# Altium PCB RailGun and Grabber PCB.PcbDoc (part 2 of 2)
Units mm, origin at the board's own origin, x right, y up, seen from the top; angles counter-clockwise.
Board outline 60 x 60 mm, 2 copper layers (Top Layer, Bottom Layer); 106 components, 59 nets, 345 pads, 97 vias.
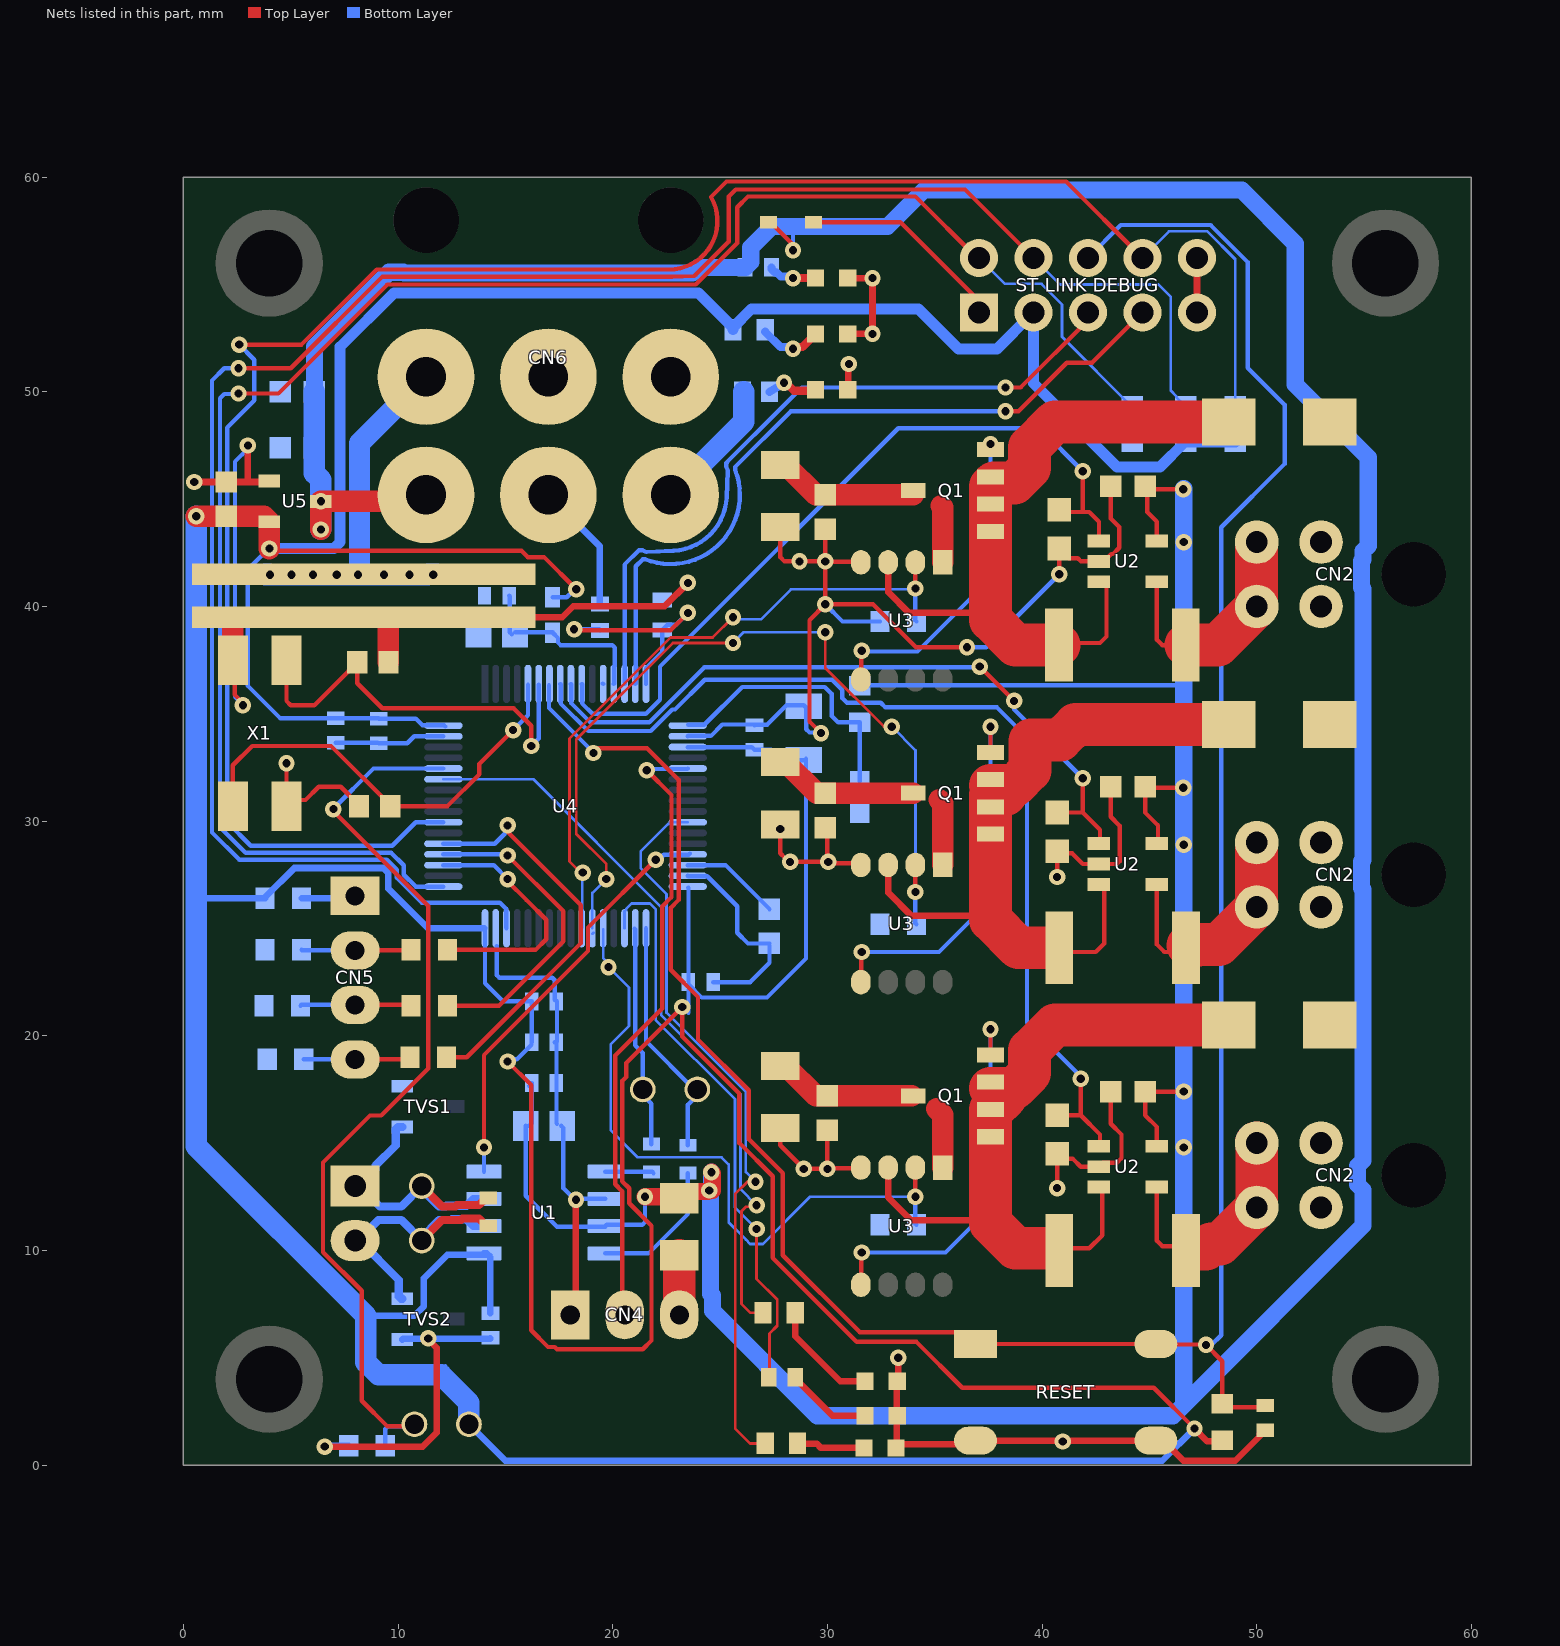
[diagram p2: the nets of this part, all layers, seen from the top]

## Part data (continued)
R4 R4 R4: library part CMP-00098-1, "Res Thick Film 0603 80.6K Ohm 1% 0.1W(1/10W) ±100ppm/C Molded SMD Automotive Paper T/R", Case Code (Imperial)=0603, Case Code (Metric)=1608, Max Operating Temperature=155°C, Max Power Dissipation=100mW, Min Operating Temperature=-55°C, Package Quantity=10, Resistance=80.6kR, Resistor Type="Thick Film", Temperature Coefficient=100ppm/°C, Tolerance=1%, Voltage Rating=75V, Case/Package=0603, Contact Plating=Tin, Depth=0.85mm, Features="Automotive AEC-Q200", Height=0.45mm, Lead Free="Lead Free", Length=1.55mm, Military Standard=Not, Number of Terminations=2, Packaging="Tape and Reel", Power Rating=100mW, Radiation Hardening=No, REACH SVHC=Unknown, Termination=SMD/SMT, Voltage Rating (DC)=75V, Weight=7.1E-05oz, Width=0.033inch, Working Voltage=75V
R5 R5 R5 R10 R11 R13 R14 R17 R20 R21 R22: library part CMP-047-0013-1, "10kR, 1%, 1/10W, 0603 SMD", Component Type=Standard, Created On=14-05-31, Last Edited=14-05-31, Made By="Ashwin Sira", Owned By=AUVic, Pin Count=2, Source=AUVic_Schematic_Library_Resistors.SchLib
  R5 R5 R5: Design Item ID="10kR, 1%, 1/10W, 0603 SMD"
  R10 R11 R13 R14 R17 R20 R21 R22: Design Item ID=10kR
R6 R6 R6: library part CMP-047-0006-1, Component Type=Standard, ComponentLink1Description=Digikey, ComponentLink1URL=https://www.digikey.ca/product-detail/en/te-connectivity-passive-product/RLP73V3AR020FTDF/A109677CT-ND/4032443, Created By="Robert Keen", Created On=2018-08-16, Design Item ID="0R02, 1%, 2W, 2512 SMD", Pin Count=2, Source=AUVic_Schematic_Library_Resistors.SchLib
R7: library part CMP-00067-2, "Res Thick Film 0603 330 Ohm 1% 0.1W(1/10W) +/-100ppm/ßC Pad SMD Automotive T/R", Case Code (Imperial)=0603, Case Code (Metric)=1608, Max Operating Temperature=155°C, Max Power Dissipation=100mW, Min Operating Temperature=-55°C, Package Quantity=10, Resistance=330R, Temperature Coefficient=100ppm/°C, Tolerance=1%, Voltage Rating=75V, Case/Package=0603, Composition="Thick Film", Contact Plating=Tin, Depth=0.85mm, Features="Automotive AEC-Q200", Height=0.45mm, Lead Free="Lead Free", Length=1.55mm, Military Standard=Not, Mount="Surface Mount", Number of Terminations=2, Packaging="Tape and Reel", Power Rating=100mW, Radiation Hardening=No, REACH SVHC=Unknown, Termination=SMD/SMT, Voltage Rating (DC)=75V, Weight=7.1E-05oz, Width=0.033inch
R8 R23 R24 R25: library part CMP-047-0024-1, "1kR, 1%, 1/10W , 0603, SMD", Component Type=Standard, Created By="Andy Bates", Date Created=2017-05-10, Design Item ID=1kR, Pin Count=2, Publisher=AUVic, Source=AUVic_Schematic_Library_Resistors.SchLib
R9 R12: library part CMP-00069-1, "RES SMD 110 OHM 1% 1/10W 0603", Case Code (Imperial)=0603, Case Code (Metric)=1608, Max Operating Temperature=155°C, Max Power Dissipation=100mW, Min Operating Temperature=-55°C, Package Quantity=1, Resistance=110R, Temperature Coefficient=100ppm/°C, Tolerance=1%, Voltage Rating=50V, Working Voltage=75V, Case/Package=0603, Composition="Thick Film", Depth=0.8mm, Features="Moisture Resistant", Height=0.022inch, Lead Free="Lead Free", Length=1.6mm, Military Standard=Not, Number of Terminations=2, Packaging="Tape and Reel", Power Rating=100mW, Termination=SMD/SMT, Voltage Rating (DC)=50V, Width=0.031inch
R15: library part CMP-00085-1, "RES SMD 82.5K OHM 1% 1/10W 0603", Case Code (Imperial)=0603, Case Code (Metric)=1608, Max Operating Temperature=155°C, Max Power Dissipation=100mW, Min Operating Temperature=-55°C, Package Quantity=1, Resistance=82.5kR, Temperature Coefficient=100ppm/°C, Tolerance=1%, Voltage Rating=75V, Voltage Rating (DC)=50V, Case/Package=0603, Composition="Thick Film", Contact Plating=Tin, Depth=0.8mm, Features="Automotive AEC-Q200", Height=0.022inch, Lead Free="Lead Free", Length=1.6mm, Military Standard=Not, Mount="Surface Mount", Number of Terminations=2, Packaging="Tape and Reel", Power Rating=100mW, Radiation Hardening=No, REACH SVHC="No SVHC", Termination=SMD/SMT, Width=0.031inch
R16: library part CMP-047-0021-1, Component Type=Standard, Created On=14-05-31, Design Item ID="16kR, 1%, 1/10W, 0603 SMD", Last Edited=14-05-31, Made By="Ashwin Sira", Owned By=AUVic, Pin Count=2, Source=AUVic_Schematic_Library_Resistors.SchLib
R18: library part CMP-00037-1, "Res General Purpose Thick Film 0603 10K Ohm 1% 1/10W ±100ppm/°C Molded SMD Paper T/R", Case Code (Imperial)=0603, Case Code (Metric)=1608, Max Operating Temperature=155°C, Min Operating Temperature=-55°C, Power Rating=100mW, Resistance=10kR, Temperature Coefficient=100ppm/°C, Tolerance=1%, Voltage Rating=75V, Voltage Rating (DC)=50V, Case/Package=0603, Composition="Thick Film", Depth=0.8mm, Height=0.45mm, Lead Free="Lead Free", Lead Pitch=0.3mm, Length=1.6mm, Military Standard=Not, Number of Pins=2, Packaging="Tape and Reel", REACH SVHC="No SVHC", Termination=SMD/SMT, Weight=7.1E-05oz, Width=0.8mm
R19: library part CMP-00090-2, "Res Thick Film 0603 27K Ohm 1% 0.1W(1/10W) ±100ppm/C Pad SMD Automotive T/R"
R26: library part CMP-00072-1, "VISHAY         CRCW06036K34FKEA.             SMD Chip Resistor, Thick Film, 6.34 kohm, 75 V, 0603 [1608 Metric], 100 mW,  1%, CRCW Series", Case Code (Imperial)=0603, Case Code (Metric)=1608, Max Operating Temperature=155°C, Max Power Dissipation=100mW, Min Operating Temperature=-55°C, Package Quantity=10, Temperature Coefficient=100ppm/°C, Tolerance=1%, Voltage Rating=75V, Case/Package=0603, Composition="Thick Film", Contact Plating=Tin, Depth=0.85mm, Features="Automotive AEC-Q200", Height=0.45mm, Length=1.55mm, Military Standard=Not, Number of Pins=2, Number of Terminations=2, Packaging="Tape and Reel", Power Rating=100mW, Radiation Hardening=No, REACH SVHC=Unknown, Resistance=6.34kR, Termination=SMD/SMT, Weight=7.1E-05oz, Width=0.033inch
R27: library part CMP-00071-1, "SMD Chip Resistor, 0603 [1608 Metric], 536 ohm, ERJ3EK Series, 75 V, Thick Film, 100 mW", Case Code (Imperial)=0603, Case Code (Metric)=1608, Max Operating Temperature=155°C, Max Power Dissipation=100mW, Min Operating Temperature=-55°C, Package Quantity=1, Temperature Coefficient=100ppm/°C, Tolerance=1%, Voltage Rating=75V, Voltage Rating (DC)=50V, Case/Package=0603, Composition="Thick Film", Contact Plating=Tin, Depth=0.8mm, Features="Automotive AEC-Q200", Height=0.022inch, Lead Free="Lead Free", Length=1.6mm, Military Standard=Not, Mount="Surface Mount", Number of Terminations=2, Packaging="Tape and Reel", Power Rating=100mW, REACH SVHC="No SVHC", Resistance=536R, Termination=SMD/SMT, Width=0.8mm
R28: library part CMP-00069-1, "RES SMD 110 OHM 1% 1/10W 0603", Case Code (Imperial)=0603, Case Code (Metric)=1608, Max Operating Temperature=155°C, Max Power Dissipation=100mW, Min Operating Temperature=-55°C, Package Quantity=1, Temperature Coefficient=100ppm/°C, Tolerance=1%, Voltage Rating=50V, Working Voltage=75V, Case/Package=0603, Composition="Thick Film", Depth=0.8mm, Features="Moisture Resistant", Height=0.022inch, Lead Free="Lead Free", Length=1.6mm, Military Standard=Not, Number of Terminations=2, Packaging="Tape and Reel", Power Rating=100mW, Resistance=110R, Termination=SMD/SMT, Voltage Rating (DC)=50V, Width=0.031inch
RESET: library part CMP-00077-1, "Black Switch Tactile N.O. SPST Round Button Gull Wing 0.05A 12VDC 100000Cycles 1.27N SMD T/R", Button Colour=Black, Contact Resistance=100mR, Current Rating=50mA, Max Operating Temperature=60°C, Max Voltage Rating (DC)=12V, Min Operating Temperature=-20°C, Operating Force=1.27N, Package Quantity=1000, Actuator Length=0.85mm, Actuator Material=Nylon,Polyamide, Actuator Type=Standard, Color=Black, Contact Material=Bronze,Brass,Silver, Contact Plating=Silver, Depth=9mm, Illumination Type=Non-Illuminated, Lead Free="Lead Free", Length=6mm, Max Current Rating=50mA, Mechanical Life=100000Cycles, Mount="Surface Mount", Orientation=Straight, Packaging="Tape and Reel", Switch Function=Off-Mom, Termination="Gull Wing", Throw Configuration=SPST, Voltage Rating (DC)=12V
"ST LINK DEBUG": library part CMP-00011-6, "CONN HEADER VERT 10POS 2.54MM", Color=Black, Package Quantity=1, Connector Type="Male Pin", Contact Plating=Gold, Lead Free="Lead Free", Mount="Through Hole", Number of Positions=10, Number of Rows=2, Packaging=Tray, Pitch=0.1inch, Row Spacing=0.1inch, Termination=Solder
TVS1 TVS2: library part CMP-058-0000-2, "TVS DIODE 36V 60V SOT23", Component Type=Standard, Created By="Miguel Manguerra", Date Created=2020-05-18, Design Item ID=PESD36VS2UT,215, Pin Count=3, Source=AUVic_Schematic_Library_Diodes.SchLib
U1: library part CMP-032-0000-2, "1/1 Transceiver Half CANbus 8-SO", Case/Package=SO, Max Operating Temperature=150°C, Max Supply Current=70mA, Max Supply Voltage=5.5V, Min Operating Temperature=-40°C, Min Supply Voltage=4.5V, Package Quantity=2500, Contact Plating=Gold, Data Rate=1Mbps, Interface=CAN, Lead Free="Lead Free", Mount="Surface Mount", Nominal Supply Current=70mA, Number of Pins=8, Number of Transceivers=1, Packaging="Tape and Reel", Propagation Delay=250ns, Radiation Hardening=No, Turn-On Delay Time=250ns
U2 U2 U2: library part CMP-048-0001-2, Component Type=Standard, Created By="Jacob Lower", Created On=2016-03-16, Design Item ID="INA168, Current Sensor, High-Side, Analog", Pin Count=5, Publisher=AUVic, Source=AUVic_Schematic_Library_Sensors.SchLib
U3 U3 U3: library part CMP-028-0000-2, "High-Side or Low-Side Gate Driver IC Non-Inverting 8-SOIC", Case/Package=SOIC, Max Operating Temperature=85°C, Max Output Current=10mA, Max Supply Voltage=30V, Min Operating Temperature=-40°C, Min Supply Voltage=2.75V, Package Quantity=2500, Channel Type=Single, Height=1.48mm, Lead Free="Lead Free", Length=4.93mm, Mount="Surface Mount", Number of Drivers=1, Number of Outputs=1, Number of Pins=8, Packaging="Tape and Reel", Turn-Off Delay Time=30us, Turn-On Delay Time=8ms, Width=3.94mm
U4: library part CMP-00006-2, "STMICROELECTRONICS - STM32F413RGT6 - MCU, ARM CORTEX-M4, 100MHZ, LQFP-64", Case/Package=LQFP, Frequency=100MHz, Max Operating Temperature=85°C, Min Operating Temperature=-40°C, Core Architecture=ARM, Interface=I2C,SPI,USB,IrDA,MMC,SDIO,UART,USART, Memory Size=1MB, Memory Type=FLASH, Number of I/Os=50, Oscillator Type=Internal, Packaging=Tray, Peripherals="Brown-out Detect/Reset,POR,PWM,WDT,DMA,LCD"
U5: library part CMP-00003-1, "IC REG LINEAR 3.3V 250MA SOT23-3", Case/Package=SOT-23-3, Dropout Voltage=400mV, Max Input Voltage=6.6V, Max Operating Temperature=85°C, Max Output Current=250mA, Min Input Voltage=2.5V, Min Operating Temperature=-40°C, Output Voltage=3.3V, Package Quantity=3000, Quiescent Current=1uA, Supplier Part Number 1=AP2138N-3.3TRG1, Accuracy=2%, Created By="Poorna Chander Kalidas", Date Created="June 26, 2020", Height=1.3mm, Lead Free="Lead Free", Length=3.02mm, Mount="Surface Mount", Number of Outputs=1, Number of Pins=3, Number of Regulators=1, Output Current=250mA, Output Type=Fixed, Packaging="Tape and Reel", Polarity=Positive, Supplier 1=Digi-Key, Weight=0.000282oz, Width=1.7mm
X1: library part CMP-00079-2, "8MHz ±30ppm Crystal 16pF 80 Ohms 4-SMD, No Lead", Case/Package=CSMD, ESR (Equivalent Series Resistance)=80R, Frequency=8MHz, Frequency Stability=50ppm, Load Capacitance=16pF, Max Operating Temperature=70°C, Min Operating Temperature=-20°C, Depth=5.2mm, Length=7.5mm, Number of Pins=4, Packaging="Tape and Reel"

## Via types
v1: diameter 0.762, hole 0.381, Top Layer to Bottom Layer, tented both sides, 97 vias

## Nets (pads, with @x,y where several pads share a name; then routed paths per layer and width w, separated by ;. In a path a pad name is that pad's centre, name@x,y a point inside that pad or via, vN(x,y) a via of type N, cw(c..) or ccw(c..) an arc to the next point about the centre after c; other vN are vias at no path point)
3V3: "ST LINK DEBUG.2" BOOT.1 C3.1 C13.1 C14.1 C15.1 C16.1 C17.1 C18.1 C19.1 C22.2 FB1.1 R8.1 R14.1 R21.1 R22.1 R28.1 U1.5 U4.19 U4.32 U4.48 U4.64 U5.2 | length 321.2
  Top Layer w0.203: v1(4,42.7) 4.106,42.594 15.747,42.594 16.04,42.302 16.798,42.302 v1(18.3,40.8) ; v1(15.1,18.8) 16.2,17.7 16.2,6.285 16.984,5.501 17.3,5.501 17.401,5.4 21.4,5.4 21.805,5.805 21.805,11.154 20.763,12.195 20.763,12.897 20.444,13.216 20.444,17.896 20.63,18.082 20.63,18.734 v1(23.235,21.339) 23.235,19.965 25.9,17.3 25.9,15 27.45,13.45 27.45,9.65 31.363,5.737 34.148,5.737 36.285,3.6 45.2,3.6 v1(47.1,1.7)
  Top Layer w0.305: v1(47.1,1.7) 47.7,1.1 R14.1@48.3,1.1
  Top Layer w1: v1(0.592,44.2) C22.2@2,44.2 3.75,44.2 U5.2@4,43.95 v1(4,42.7)
  Bottom Layer w0.203: v1(4,42.7) 3.97,42.7 3,41.73 3,36.3 4.5,34.8 C17.1@7.1,34.8 C18.1@9.1,34.8 ; C18.1@9.1,34.775 10.825,34.775 11.138,34.462 12.138,34.462 U4.64@12.189,34.411 ; 12.2,4.3 12.2,4.6 ; U4.48@14.05,25.009 14.05,22.45 14.9,21.6 16.2,21.6 C16.1@16.225,21.6 ; v1(15.1,18.8) 15.207,18.907 15.532,18.907 C15.1@16.2,19.575 ; C15.1@16.225,19.7 C16.1@16.225,21.575 ; FB1.1@17.2,40.425 17.855,40.425 v1@18.13,40.7 ; U4.19@23.491,33.45 26.475,33.45 C13.1@26.6,33.325 27.375,33.325 27.864,32.836 C19.1@28.964,32.836 ; 23.525,21.075 C14.1@23.525,22.4 ; U4.32@23.525,26.9 C14.1@23.525,22.5 C14.1@23.525,22.4 ; C19.1@29,32.9 29,23.6 27.186,21.786 24.139,21.786 C14.1@23.525,22.4
  Bottom Layer w0.305: 0.9,26.4 R8.1@3.8,26.4 3.8,26.45 5.166,27.816 9.311,27.816 9.55,27.577 9.55,26.851 11.4,25 U4.48@14,25 ; 8.5,6.952 10.752,6.952 11.2,7.4 11.2,8.7 12.3,9.8 U1.5@14.1,9.8 ; BOOT.1@13.3,1.9 15,0.2 45.6,0.2 v1(47.1,1.7) ; U1.5@14,9.86 14.128,9.86 14.3,9.688 C3.1@14.3,7.075
  Bottom Layer w0.508: v1(4,42.7) 7.002,42.7 7.3,42.998 7.3,52.1 9.8,54.6 24,54.6 R28.1@25.6,53 ; R28.1@25.6,52.9 R28.1@25.6,53 ; R21.1@46.7,47.65 46.65,47.65 45.5,46.5 43.5,46.5 39.6,50.4 39.6,53.6 39.5,53.6 37.9,52 36.1,52 34.246,53.854 26.454,53.854 R28.1@25.6,53 ; R21.1@46.75,47.65 R22.1@49,47.65
  Bottom Layer w1: v1(0.592,44.2) 0.592,26.4 0.592,14.86 8.5,6.952 8.5,4.786 9.086,4.2 12,4.2 13.3,2.9 BOOT.1@13.3,1.9
5V: C1.1 C2.1 C4.2 C20.2 C21.2 CN6.4 D5.K F1.2 R16.2 R27.1 U1.3 U2.5 U5.3 | length 246.4
  Top Layer w0.203: D5.K@27.25,57.9 27.35,57.9 v1@28.293,56.957 ; U2.5@45.35,14.85 45.35,15.75 44.8,16.3 C4.2@44.8,17.4 v1(46.6,17.4) ; U2.5@45.35,28.95 45.375,28.925 45.4,28.925 45.4,29.8 44.8,30.4 C4.2@44.8,31.6 44.842,31.558 46.442,31.558 v1@46.5,31.5 ; U2.5@45.35,43.05 45.35,43.95 44.9,44.4 44.9,45.5 C4.2@44.8,45.6 44.942,45.458 46.542,45.458 v1@46.6,45.4 ; v1@46.575,28.925 v1(46.6,28.9)
  Top Layer w0.8: v1(21.5,12.5) F1.2@23.1,12.5 ; F1.2@23.1,12.43 23.41,12.74 24.439,12.74 v1(24.492,12.794) ; v1(24.593,13.638) 24.644,13.588 v1@24.644,12.794
  Top Layer w1: v1(6.4,43.589) v1(6.4,44.9) 11,44.9 CN6.4@11.3,45.2
  Bottom Layer w0.203: C2.1@15.95,15.8 15.95,12.55 17.4,11.1 U1.3@19.65,11.1 ; C2.1@16.1,15.8 16.225,15.925 C1.1@16.225,17.8 C1.1@16.1,17.675 ; U1.3@19.65,11.13 19.72,11.2 21.381,11.2 21.5,11.319 v1(21.5,12.5) ; v1(28.4,56.6) 28.4,57.7 ; R16.2@31.5,36.3 31.537,36.337 46.337,36.337 46.4,36.4
  Bottom Layer w0.8: C20.2@6.1,50 6.1,52.1 9.576,55.576 10.238,55.576 10.279,55.535 23.721,55.535 23.986,55.8 26.175,55.8 26.425,56.05 26.425,56.725 27.4,57.7 28.4,57.7 32.8,57.7 34.5,59.4 49.3,59.4 51.8,56.9 51.8,50.342 55.2,46.942 55.2,42.831 54.956,42.587 54.956,42.19 54.88,42.114 54.88,40.889 54.956,40.813 54.956,28.19 54.88,28.114 54.88,26.889 54.956,26.813 54.956,14.19 54.7,13.934 54.7,13.069 54.956,12.813 54.956,11.156 46.6,2.8 ; v1(24.492,12.794) 24.556,12.73 24.556,7.98 24.643,7.893 24.643,7.186 29.529,2.3 46.1,2.3 46.6,2.8 ; v1(24.593,13.638) 24.6,13.632 v1@24.6,12.744 ; v1@46.6,45.5 v1(46.6,43) 46.6,36.3 46.6,31.558 v1(46.6,28.9) v1(46.6,17.4) v1(46.6,14.8) 46.6,2.8
  Bottom Layer w1: C20.2@6.1,50 C21.2@6.1,47.4 6.1,46.2 6.4,45.9 v1(6.4,44.9) v1(6.4,43.589)
  other v1: 46.58,31.558 46.58,45.458
5V_ADC: R16.1 R19.2 U4.17 | length 12.7
  Bottom Layer w0.203: U4.17@23.514,34.486 24.265,34.486 26.031,36.252 29.875,36.252 30.2,35.926 30.2,34.9 30.5,34.6 R16.1@31.5,34.6 R19.2@31.5,31.854
5V_DEBUG: "ST LINK DEBUG.1" D5.A | length 9.8
  Top Layer w0.203: D5.A@29.35,57.9 33.4,57.9 37.06,54.24 37.06,53.7
blue: R9.1 U4.59 | length 34.7
  Top Layer w0.127: v1(26.7,12.1) 26.635,12.035 26.211,12.035 26,11.824 26,7.5 26.4,7.1 R9.1@27,7.1
  Bottom Layer w0.127: U4.59@12.109,31.95 16.309,31.95 22.254,26.005 22.254,20.973 25.946,17.281 25.946,12.854 v1(26.7,12.1)
BOOT0: BOOT.2 R17.1 U4.60 | length 43.5
  Top Layer w0.203: v1(6.984,30.56) 6.984,30.465 11.4,26.048 11.4,18.473 9.213,16.287 8.688,16.287 6.5,14.098 6.5,12.7 6.501,12.699 6.501,9.918 8.3,8.12 8.3,3 9.5,1.8 10.66,1.8 BOOT.2@10.76,1.9
  Bottom Layer w0.203: v1@7,30.6 8.85,32.45 U4.60@12.109,32.45 ; R17.1@9.4,0.9 9.4,1.681 9.519,1.8 10.6,1.8 BOOT.2@10.7,1.9
CAN_N: CAN_PHYS.2 CN1.2 R2.2 TVS2.2 U1.6 | length 14.7
  Top Layer w0.381: CAN_PHYS.2@11.1,10.46 12.053,11.412 12.932,11.412 13.003,11.483 13.767,11.483 14.1,11.15 R2.2@14.2,11.15
  Bottom Layer w0.381: CN1.2@8,10.46 CN1.2@8.125,10.46 ; TVS2.2@10.2,7.75 10.139,7.75 10.029,7.859 10.029,8.621 8.19,10.46 CN1.2@8.125,10.46 ; U1.6@14,11.13 13.5,11.13 13.183,11.448 12.513,11.448 12.478,11.412 11.899,11.412 11.1,10.613 CAN_PHYS.2@11.1,10.46 10.148,11.412 9.078,11.412 CN1.2@8.125,10.46
CAN_P: CAN_PHYS.1 CN1.1 R2.1 TVS1.1 U1.7 | length 14.8
  Top Layer w0.381: CAN_PHYS.1@11.1,13 12.053,12.047 12.669,12.047 12.739,12.118 13.767,12.118 14.1,12.45 R2.1@14.2,12.45
  Bottom Layer w0.381: CN1.1@8,13 CN1.1@8.19,13 ; TVS1.1@10.2,15.75 10,15.75 9.89,15.64 9.89,14.89 8.952,13.952 8.952,13.762 CN1.1@8.19,13 ; U1.7@14,12.4 13.5,12.4 13.183,12.083 12.25,12.083 12.215,12.047 11.899,12.047 11.1,12.847 CAN_PHYS.1@11.1,13 10.148,12.047 9.143,12.047 CN1.1@8.19,13
"Current Shunt In_Gin1": P1.2 Q1.1@37.6,15.295 Q1.2@37.6,16.565 Q1.3@37.6,17.835 R6.2@40.8,10 U2.3@42.65,12.95 U3.3@32.83,13.86 | length 32.4
  Top Layer w0.203: U3.3@32.83,13.86 U3.3@32.9,13.79 ; R6.2@41.3,10.1 42.2,10.1 42.8,10.7 42.8,12.8 U2.3@42.65,12.95
  Top Layer w0.305: U3.3@32.83,13.86 32.83,12.47 33.9,11.4 36.8,11.4 36.9,11.5
  Top Layer w2: Q1.3@37.6,17.555 38.722,17.555 39.425,18.258 39.425,19.328 40.597,20.5 P1.2@48.7,20.5 ; 38.301,17.134 37.732,16.565 Q1.2@37.6,16.565 Q1.1@37.6,15.295 37.6,11.272 38.772,10.1 R6.2@40.2,10.1
"Current Shunt In_Gin2": P2.2 Q1.1@37.6,29.395 Q1.2@37.6,30.665 Q1.3@37.6,31.935 R6.2@40.8,24.1 U2.3@42.65,27.05 U3.3@32.83,27.96 | length 33.6
  Top Layer w0.203: R6.2@40.95,24.1 41.15,23.9 42.5,23.9 42.9,24.3 42.9,26.852 42.702,27.05 U2.3@42.65,27.05
  Top Layer w0.305: U3.3@32.83,27.96 32.83,26.67 33.9,25.6 36.9,25.6
  Top Layer w2: Q1.3@37.6,31.655 38.722,31.655 39.433,32.366 39.433,33.733 39.489,33.789 40.856,33.789 41.567,34.5 P2.2@48.7,34.5 ; 38.301,31.234 37.6,31.234 Q1.2@37.6,30.665 Q1.1@37.6,29.395 37.6,25.4 38.9,24.1 R6.2@40.2,24.1
"Current Shunt In_Gin3": P3.2 Q1.1@37.6,43.495 Q1.2@37.6,44.765 Q1.3@37.6,46.035 R6.2@40.795,38.2 U2.3@42.65,41.15 U3.3@32.83,42.06 | length 33.3
  Top Layer w0.203: R6.2@41.3,38.2 41.4,38.3 42.7,38.3 43,38.6 43,40.952 42.802,41.15 U2.3@42.65,41.15
  Top Layer w0.305: U3.3@32.83,42.06 32.83,40.67 33.8,39.7 37,39.7
  Top Layer w2: R6.2@40.8,38.2 38.772,38.2 37.6,39.372 Q1.1@37.6,43.495 37.6,45.6 37.755,45.755 38.722,45.755 39.425,46.458 39.425,47.425 40.6,48.6 P3.2@48.6,48.6
"Current Shunt Out_Gin1": CN2.3@50.003,15 CN2.4@50.003,12.003 R6.1@46.7,10 U2.4@45.35,12.95 | length 10.8
  Top Layer w0.203: U2.4@45.35,12.95 45.35,10.45 45.6,10.2 46.5,10.2 R6.1@46.7,10
  Top Layer w2: R6.1@47.05,10.067 47.639,10.067 47.872,10.3 48.291,10.3 49.988,11.997 49.991,11.997 CN2.4@50,11.988 ; CN2.3@50,15 50.003,14.997 CN2.4@50.003,12.003
"Current Shunt Out_Gin2": CN2.3@50.003,29 CN2.4@50.003,26.003 R6.1@46.7,24.1 U2.4@45.35,27.05 | length 11.5
  Top Layer w0.203: U2.4@45.35,27.05 45.35,24.25 45.7,23.9 R6.1@46.65,23.9
  Top Layer w2: R6.1@47.2,24.2 46.8,24.2 46.85,24.25 48.241,24.25 49.994,26.003 CN2.4@50,26.003 ; CN2.3@50,28.9 CN2.4@50,26.003 ; CN2.4@50.003,26.003 CN2.4@50,26.003
"Current Shunt Out_Gin3": CN2.3@50.003,43 CN2.4@50.003,40.003 R6.1@46.695,38.2 U2.4@45.35,41.15 | length 11.1
  Top Layer w0.203: U2.4@45.35,41.15 45.35,38.45 45.6,38.2 R6.1@46.695,38.2 R6.1@47.2,38.2
  Top Layer w2: R6.1@47.2,38.2 48.191,38.2 49.994,40.003 CN2.4@50.003,40.003 50,40.006 CN2.3@50,42.9
GND: "ST LINK DEBUG.5" "ST LINK DEBUG.10" C1.2 C2.2 C3.2 C4.1 C5.2 C6.2 C7.2 C8.1 C9.1 C10.2 C11.2 C12.2 C13.2 C14.2 C15.2 C16.2 C17.2 C18.2 C19.2 C20.1 C21.1 C22.1 CN4.1 D2.1 D3.1 D4.1 D6.1 D7.1 D8.1 NT1.2 R4.1 R5.2 R10.2 R11.2 R13.2 R17.2 R18.2 R19.1 R20.1 RESET.3 RESET.4 TVS1.2 TVS2.1 U1.2 U2.2 U3.4 U4.12 U4.18 U4.31 U4.47 U4.63 U5.1 X1.2 X1.4 | length 204.3
  Top Layer w0.203: X1.2@2.3,37.3 2.395,37.205 2.395,35.881 2.725,35.551 2.725,35.441 v1(2.767,35.4) ; v1(4.8,32.7) X1.4@4.8,30.7 5.086,30.986 5.686,30.986 6.3,31.6 7.325,31.6 8.1,30.825 C9.1@8.1,30.7 ; C6.2@27.7,15.6 27.8,15.5 27.8,14.9 v1(28.9,13.8) v1(30,13.8) ; C6.2@27.8,43.7 27.8,42.3 28,42.1 28.5,42.1 v1@28.771,41.829 ; C6.2@28,29.65 C6.2@27.8,29.85 27.8,28.5 28.018,28.282 28.067,28.282 28.249,28.1 v1(30.037,28.1) ; v1@28.7,41.9 v1(28.7,42.1) v1(29.9,42.1) v1(29.9,40.1) ; v1(29.7,34.1) 29.164,34.636 29.164,39.364 v1(29.9,40.1) ; C5.2@29.9,29.7 30,29.6 30,28.1 30.07,28.03 U3.4@31.57,28.03 ; v1@29.9,40.2 v1(29.9,40.1) ; C5.2@29.902,43.5 29.902,42.198 30.02,42.08 U3.4@31.58,42.08 ; C5.2@30.1,15.6 30,15.5 v1(30,13.8) ; U3.4@31.5,13.9 31.43,13.83 30.03,13.83 v1(30,13.8) ; v1@36.2,38.1 34.126,38.1 32.126,40.1 v1(29.9,40.1) ; v1(40.7,12.9) R4.1@40.7,14.4 ; R4.1@40.7,14.5 40.936,14.264 41.436,14.264 41.8,13.9 U2.2@42.65,13.9 42.83,14.08 43.48,14.08 43.7,14.3 43.7,15.4 43.2,15.9 43.2,17.2 C4.1@43.3,17.3 ; v1(40.7,27.4) 40.7,28.3 R4.1@40.8,28.4 ; R4.1@40.7,28.6 40.8,28.5 41.4,28.5 41.9,28 U2.2@42.6,28 ; v1(40.8,41.5) 40.8,42.5 40.9,42.6 41.249,42.252 41.662,42.252 41.813,42.1 U2.2@42.65,42.1 42.875,42.1 43.22,42.445 43.301,42.445 43.594,42.738 43.594,43.706 43.2,44.1 C4.1@43.2,45.5 ; U2.2@42.65,28 43.494,28 43.613,28.119 43.613,29.787 43.2,30.2 C4.1@43.2,31.6
  Top Layer w0.305: v1(0.5,45.8) C22.1@2,45.8 3,45.8 ; v1(3,47.5) 3,45.8 ; U5.1@4,45.85 3.95,45.8 3,45.8 ; v1(6.584,0.86) 11.144,0.86 11.8,1.517 11.8,5.453 11.4,5.853 v1(11.4,5.9) ; NT1.2@8.4,39.5 17.65,39.5 18.162,40.012 22.412,40.012 v1(23.5,41.1) v1@23.6,41.1 ; CN4.1@18.02,7 18.284,7.264 18.284,12.284 v1@18.3,12.3 ; D6.1@30.95,50.1 30.975,50.125 30.975,51.175 v1@31,51.2 ; D8.1@30.95,52.7 v1@32,52.7 ; D7.1@30.95,55.3 v1(32.1,55.3) v1(32.1,52.7) ; D4.1@33.2,0.8 D4.1@33.225,0.825 ; D3.1@33.25,3.9 33.3,3.95 v1(33.3,5) ; D3.1@33.275,3.875 33.225,3.825 D4.1@33.225,0.825 ; RESET.3@36.9,1.1 36.769,0.969 33.369,0.969 D4.1@33.225,0.825 ; RESET.3@36.9,1.138 RESET.4@45.3,1.138 45.65,1.138 46.588,0.2 49,0.2 50.14,1.34 50.14,1.465 50.275,1.6 C7.2@50.4,1.6 ; 47.1,56.3 47.22,56.18 47.22,53.7
  Top Layer w1: X1.2@2.3,37.5 NT1.2@2.3,39.246 ; C8.1@9.55,37.4 NT1.2@9.55,39.246
  Bottom Layer w0.203: v1(2.767,35.4) 2.767,35.432 2.4,35.798 2.4,46.749 3,47.349 v1@3,47.4 ; C17.2@7.1,33.65 C18.2@9.05,33.65 ; C18.2@9.1,33.625 10.425,33.625 10.75,33.95 U4.63@12.109,33.95 ; U4.47@14.6,24.171 14.6,22.819 14.719,22.7 17.181,22.7 17.3,22.581 17.3,21.675 C16.2@17.375,21.6 ; C15.2@17.3,19.7 17.375,19.625 C1.2@17.375,17.8 17.375,15.925 C2.2@17.4,15.9 ; C15.2@17.375,19.7 17.4,19.725 C16.2@17.4,21.6 ; C2.2@17.6,15.8 17.7,15.7 17.7,12.9 18.24,12.36 v1(18.284,12.36) ; v1@18.4,12.4 U1.2@19.65,12.4 ; U4.12@19.529,36.412 U4.12@19.55,36.391 ; U4.31@23.491,27.45 23.512,27.429 24.402,27.429 25.8,26.031 25.8,24.8 26.3,24.3 C12.2@27.3,24.3 ; U4.18@23.491,33.95 23.512,33.971 24.571,33.971 25.1,34.5 26.575,34.5 C13.2@26.6,34.475 26.623,34.498 27.198,34.498 28.1,35.4 28.9,35.4 29.019,35.281 29.019,34.281 29.168,34.132 29.668,34.132 v1(29.7,34.1) ; C14.2@24.675,22.5 26.4,22.5 27.3,23.4 C12.2@27.3,24.2 ; v1(29.9,40.1) 30.7,39.3 R5.2@32.45,39.3 ; v1(36.5,38.1) 37.4,38.1 v1(40.8,41.5)
  Bottom Layer w0.305: v1@6.7,0.9 R17.2@7.7,0.9 ; TVS2.1@10.2,5.85 10.238,5.887 14.287,5.887 C3.2@14.3,5.9
  other v1: 40.968,1.096 28.263,28.1 27.8,29.635 31,51.3
green: R12.1 U4.26 | length 34.2
  Top Layer w0.127: v1(26.652,13.2) 26.276,13.2 25.7,12.624 25.7,1.7 26.4,1 R12.1@27.1,1
  Bottom Layer w0.127: U4.26@23.491,29.95 22.703,29.95 22.623,29.87 22.579,29.87 21.3,28.59 21.3,27.81 22.508,26.602 22.508,21.078 26.2,17.386 26.2,13.652 v1(26.652,13.2)
NetCN4_3: CN4.3 F1.1 | length 2.8
  Top Layer w1.5: CN4.3@23.1,7 F1.1@23.1,9.77
NetCN5_1: CN5.1 R8.2 | length 2.6
  Bottom Layer w0.305: R8.2@5.5,26.4 CN5.1@8.1,26.4
NetD2_2: D2.2 R7.2 | length 4
  Top Layer w0.305: R7.2@28.5,4.1 28.5,4.036 30.236,2.3 D2.2@31.7,2.3
NetD3_2: D3.2 R9.2 | length 5.2
  Top Layer w0.305: R9.2@28.5,7.1 28.5,6 30.6,3.9 D3.2@31.7,3.9
NetD4_2: D4.2 R12.2 | length 3.2
  Top Layer w0.305: R12.2@28.6,1.025 28.625,1 29.5,1 29.7,0.8 D4.2@31.7,0.8
NetD6_2: D6.2 R26.2 | length 2.3
  Top Layer w0.381: v1(27.979,50.421) 28.079,50.421 28.45,50.05 D6.2@29.35,50.05
  Bottom Layer w0.381: R26.2@27.3,50 v1(27.979,50.421)
NetD7_2: D7.2 R27.2 | length 2.5
  Top Layer w0.381: v1(28.4,55.3) D7.2@29.45,55.3 D7.2@29.6,55.3
  Bottom Layer w0.381: R27.2@27.4,55.8 27.4,55.725 27.56,55.565 27.635,55.565 27.827,55.373 28.327,55.373 v1(28.4,55.3)
NetD8_2: D8.2 R28.2 | length 2.9
  Top Layer w0.381: v1(28.4,52.011) 28.473,52.084 28.834,52.084 29.4,52.65 D8.2@29.4,52.7
  Bottom Layer w0.381: R28.2@27.1,52.8 27.816,52.084 28.327,52.084 v1(28.4,52.011)
NetJP1_1: CAN_DEBUG.1 R1.1 U4.34 | length 10.4
  Bottom Layer w0.203: U4.34@21.011,24.989 21.05,24.95 21.05,19.55 21.4,19.2 CAN_DEBUG.1@21.4,17.5 21.4,17.23 21.8,16.83 R1.1@21.8,14.95
NetJP1_2: CAN_DEBUG.2 R3.1 U4.33 | length 11.3
  Bottom Layer w0.203: U4.33@21.55,25.009 21.55,19.75 23.8,17.5 CAN_DEBUG.2@23.9,17.5 ; R3.1@23.5,14.9 23.5,16.79 23.9,17.19 CAN_DEBUG.2@23.9,17.4 ; CAN_DEBUG.2@23.9,17.5 CAN_DEBUG.2@23.94,17.5 CAN_DEBUG.2@23.9,17.5
NetQ1_Gin1_4: Q1.4@37.6,19.105 U3.5@31.56,8.4 | length 17.9
  Top Layer w0.203: U3.5@31.56,8.4 31.58,8.42 31.58,9.88 v1(31.6,9.9) ; Q1.4@37.6,19.105 v1(37.6,20.3)
  Bottom Layer w0.203: v1(31.6,9.9) 34.9,9.9 35.5,9.9 37.6,12 v1(37.6,20.3)
NetQ1_Gin2_4: Q1.4@37.6,33.205 U3.5@31.56,22.5 | length 17.7
  Top Layer w0.203: U3.5@31.56,22.5 31.58,22.52 31.58,23.88 v1(31.6,23.9) ; Q1.4@37.6,33.205 37.6,34.3 v1@37.7,34.4
  Bottom Layer w0.203: v1(31.6,23.9) 35.2,23.9 37.6,26.3 v1(37.6,34.4)
NetQ1_Gin3_4: Q1.4@37.6,47.305 U3.5@31.56,36.6 | length 15.3
  Top Layer w0.203: U3.5@31.56,36.6 31.58,36.62 31.58,37.917 v1(31.6,37.937) ; Q1.4@37.6,47.305 v1(37.6,47.563)
  Bottom Layer w0.203: v1(31.6,37.937) 31.637,37.9 34.2,37.9 37.6,41.3 v1(37.6,47.563)
NetR1_2: R1.2 U1.1 | length 2.3
  Bottom Layer w0.203: U1.1@19.65,13.67 19.66,13.66 21.84,13.66 R1.2@21.9,13.6
NetR3_2: R3.2 U1.4 | length 6.5
  Bottom Layer w0.203: U1.4@19.65,9.86 21.66,9.86 23.5,11.7 R3.2@23.5,13.6
NetR23_1: R23.1 U4.51 | length 12.1
  Top Layer w0.203: R23.1@12.3,24 16.4,24 16.9,24.5 16.9,25.4 15.998,26.302 15.1,27.2 15.1,27.258 15.3,27.458 15.142,27.3 v1(15.1,27.3)
  Bottom Layer w0.203: U4.51@12.109,27.95 14.45,27.95 v1(15.1,27.3)
NetR24_1: R24.1 U4.52 | length 14.7
  Top Layer w0.203: R24.1@12.3,21.4 14.7,21.4 17.7,24.4 17.7,25.8 v1(15.1,28.4)
  Bottom Layer w0.203: U4.52@12.109,28.45 15.05,28.45 v1(15.1,28.4)
NetR25_1: R25.1 U4.53 | length 18.6
  Top Layer w0.203: R25.1@12.25,19 13.2,19 18.516,24.316 18.516,26.084 15.1,29.5 v1(15.1,29.8)
  Bottom Layer w0.203: U4.53@12.109,28.95 14.501,28.95 14.894,29.343 15.066,29.514 v1@15.144,29.514
NetU1_8: U1.8 U4.29 | length 19.6
  Top Layer w0.203: v1(14,14.8) 14,19.1 18.846,23.946 18.846,25.046 v1(22,28.2)
  Bottom Layer w0.203: U1.8@14,13.67 v1(14,14.8) ; v1(22,28.2) 22.151,28.2 22.38,28.429 23.529,28.429 U4.29@23.592,28.492
NRST: "ST LINK DEBUG.8" C7.1 R14.2 RESET.1 RESET.2 U4.7 | length 121.5
  Top Layer w0.203: v1(19.098,33.172) 19.098,33.281 19.217,33.4 21.597,33.4 23.066,31.93 23.066,26.325 22.7,25.958 22.7,23.072 23.972,21.8 23.972,19.828 26.338,17.462 26.338,15.186 27.924,13.6 27.924,9.776 31.514,6.187 36.352,6.187 RESET.1@36.9,5.638 RESET.2@45.262,5.638 ; RESET.2@45.3,5.638 45.319,5.619 47.616,5.619 v1(47.635,5.6) 48.4,4.835 R14.2@48.4,2.85 48.55,2.7 C7.1@50.5,2.7
  Bottom Layer w0.203: U4.7@17.029,36.329 17.029,35.271 19.098,33.202 v1(19.098,33.172) ; 42.14,56.24 43.67,57.77 47.854,57.77 49.577,56.047 49.577,51.123 51.3,49.4 51.3,46.641 48.345,43.687 48.345,6.045 47.9,5.6 v1(47.635,5.6)
OSC_IN: C9.2 U4.5 X1.3 | length 20.7
  Top Layer w0.203: X1.3@2.3,30.7 2.3,32.6 3.2,33.5 6.875,33.5 C9.2@9.675,30.7 ; C9.2@9.625,30.7 C9.2@9.675,30.7 ; v1(15.359,34.241) 13.776,32.659 13.776,32.176 12.3,30.7 C9.2@9.675,30.7
  Bottom Layer w0.203: v1(15.359,34.241) 16.05,34.933 U4.5@16.05,36.35
OSC_OUT: C8.2 U4.6 X1.1 | length 19.9
  Top Layer w0.203: X1.1@4.8,37.5 4.8,35.6 5,35.4 6.1,35.4 7.677,36.977 7.727,36.977 C8.2@8.1,37.35 ; C8.2@8.1,37.4 C8.2@8.1,37.35 ; v1(16.2,33.5) 16.2,34.442 15.379,35.263 9.256,35.263 8.1,36.419 C8.2@8.1,37.35
  Bottom Layer w0.203: v1(16.2,33.5) 16.55,33.85 U4.6@16.55,36.35
PGND: CN2.1 CN2.2 CN6.1 CN6.2 CN6.3 NT1.1 P1.1 P2.1 P3.1 | length 18.6
  Bottom Layer w1: v1@4,41.5 3.8,41.5 3.811,41.489 4.037,41.489 10.537,41.489 11.389,41.489 11.4,41.5 v1@11.8,41.5 ; v1@8.2,41.6 8.2,47.6 CN6.1@11.3,50.7
  other v1: 4.037,41.475 5.037,41.475 6.037,41.475 7.137,41.475 8.137,41.475 9.337,41.475 10.537,41.475 11.637,41.475
Phase_Current1: R4.2@40.7,16.3 U2.1@42.65,14.85 U4.8 | length 47.1
  Top Layer w0.203: R4.2@40.7,16.3 41.8,16.3 ; v1(41.8,18) 41.8,16.3 ; U2.1@42.7,14.8 42.7,15.4 41.8,16.3
  Bottom Layer w0.203: U4.8@17.55,36.391 17.571,36.37 17.571,35.485 18.856,34.2 21.767,34.2 22.767,35.2 22.9,35.2 24.282,36.582 30.217,36.582 30.698,36.1 30.698,35.725 30.911,35.513 32.487,35.513 32.7,35.3 37.9,35.3 39.3,33.9 39.3,20.6 41.8,18.1 v1(41.8,18)
Phase_Current2: R4.2@40.7,30.4 U2.1@42.65,28.95 U4.9 | length 33.3
  Top Layer w0.203: v1(37.1,37.2) 38.6,35.7 v1@38.9,35.7 ; R4.2@40.7,30.4 41.9,30.4 ; v1@41.8,31.9 41.9,31.8 41.9,30.4 ; U2.1@42.7,28.9 42.7,29.6 41.9,30.4
  Bottom Layer w0.203: U4.9@18.05,36.391 18.071,36.37 18.071,35.485 18.956,34.6 21.7,34.6 24.263,37.163 37.063,37.163 v1(37.1,37.2) ; v1(38.7,35.6) 38.7,35.2 v1(41.9,32)
Phase_Current3: R4.2@40.8,44.5 U2.1@42.65,43.05 U4.10 | length 36.6
  Top Layer w0.203: R4.2@40.8,44.6 41,44.4 41.9,44.4 ; v1(41.9,46.3) 41.9,44.4 ; U2.1@42.65,43.05 42.65,43.95 42.2,44.4 41.9,44.4
  Bottom Layer w0.203: U4.10@18.55,36.391 18.571,36.37 18.571,35.485 19.056,35 21.544,35 22.2,35.656 22.2,37.2 33.3,48.3 39.9,48.3 v1(41.9,46.3)
Phase_Input1: R5.1@34.15,11.2 U3.2@34.1,13.86 U4.37 | length 31.7
  Top Layer w0.203: v1(34.1,12.5) U3.2@34.1,13.8
  Bottom Layer w0.127: U4.37@19.55,24.95 19.55,23.622 19.8,23.372 v1(19.8,23.2) 20.758,22.242 20.758,20.458 19.9,19.6 19.9,15.6 21.164,14.337 24.009,14.337 25.063,14.337 25.4,14 25.4,11.312 26.2,10.512 26.2,10.5 26.398,10.302 26.989,10.302 29.188,12.5 v1(34.1,12.5)
  Bottom Layer w0.203: v1(34.1,12.5) 34.1,11.25 R5.1@34.15,11.2
Phase_Input2: R5.1@34.15,25.2 U3.2@34.1,27.96 U4.38 | length 40
  Top Layer w0.127: v1(19.7,27.3) 19.7,28 18.3,29.4 18.3,33.8 22.8,38.3 v1(25.6,38.3) ; v1(29.9,38.8) 29.9,37.129 32.629,34.4 v1(33,34.4)
  Top Layer w0.203: v1(34.1,26.7) 34.1,27.7 U3.2@34.2,27.8
  Bottom Layer w0.127: U4.38@19.05,24.75 U4.38@19.1,24.8 ; U4.38@19.05,25.009 19.05,26.65 v1(19.7,27.3) ; v1@25.7,38.4 26.1,38.8 v1(29.9,38.8) ; v1(33,34.4) 34.1,33.3 v1(34.1,26.7)
  Bottom Layer w0.203: v1(34.1,26.7) 34.1,25.25 R5.1@34.15,25.2
Phase_Input3: R5.1@34.15,39.3 U3.2@34.1,42.06 U4.39 | length 30.9
  Top Layer w0.127: v1@18.5,27.6 17.984,28.116 17.984,33.843 22.695,38.554 24.654,38.554 v1(25.6,39.5)
  Top Layer w0.203: v1(34.1,40.836) U3.2@34.1,42.06
  Bottom Layer w0.127: U4.39@18.55,25.009 18.575,25.034 18.575,27.575 v1(18.6,27.6) ; v1(25.6,39.5) 25.7,39.4 26.9,39.4 28.3,40.8 v1@34.1,40.8
  Bottom Layer w0.203: v1(34.1,40.836) 34.1,40.8 34.1,39.35 R5.1@34.15,39.3
red: R7.1 U4.35 | length 26.8
  Top Layer w0.127: v1(26.7,11) 26.7,8.673 27.664,7.709 27.664,6.491 27.3,6.127 R7.1@27.3,4.1
  Bottom Layer w0.127: U4.35@20.55,25.009 20.55,25.797 20.63,25.877 20.63,25.921 20.876,26.166 21.734,26.166 22,25.9 22,20.738 25.692,17.046 25.692,12.008 v1(26.7,11)
"Sensor Input 1": CN5.2 R10.1 R23.2 | length 5.1
  Top Layer w0.203: CN5.2@8,23.98 10.48,23.98 R23.2@10.5,24
  Bottom Layer w0.203: R10.1@5.5,24 5.52,23.98 CN5.2@8,23.98 8.08,23.98 CN5.2@8.1,24
"Sensor Input 2": CN5.3 R11.1 R24.2 | length 5.2
  Top Layer w0.203: CN5.3@8,21.44 10.56,21.44 R24.2@10.6,21.4
  Bottom Layer w0.203: R11.1@5.45,21.4 5.49,21.44 7.96,21.44 CN5.3@8,21.4
"Sensor Input 3": CN5.4 R13.1 R25.2 | length 5.3
  Top Layer w0.203: CN5.4@8,18.9 10.5,18.9 R25.2@10.6,19
  Bottom Layer w0.203: R13.1@5.6,18.9 CN5.4@8,18.9 8.1,18.9 CN5.4@8.2,18.8
"Stepper Motor": CN4.2 U4.21 | length 29
  Top Layer w0.203: CN4.2@20.56,7 20.433,7.127 20.433,12.76 20.114,13.079 20.114,19.082 22.3,21.268 22.3,26.025 22.737,26.461 22.737,31.219 v1(21.584,32.371)
  Bottom Layer w0.203: v1@21.6,32.4 21.629,32.429 23.47,32.429 U4.21@23.491,32.45
SWCLK: "ST LINK DEBUG.6" R20.2 U4.49 | length 84.1
  Top Layer w0.203: v1(2.563,49.921) 4.421,49.921 9.5,55 23.867,55 25.8,56.933 25.8,58.6 26.3,59.1 34.1,59.1 37,56.2
  Bottom Layer w0.127: 37.06,56.24 38.266,55.033 39.973,55.033 40.933,54.073 40.933,52.567 R20.2@44.2,49.3
  Bottom Layer w0.203: v1(2.563,49.921) 2.543,49.9 1.9,49.9 1.7,49.7 1.7,29.719 2.893,28.527 9.673,28.527 10.261,27.939 10.261,27.506 10.817,26.95 U4.49@12.109,26.95
SWDIO: "ST LINK DEBUG.7" R21.2 U4.46 | length 94.4
  Top Layer w0.203: v1@2.6,51.1 5,51.1 9.27,55.37 22.763,55.37 23.8,55.4 23.859,55.459 25.4,57 25.4,59.1 25.73,59.43 36.41,59.43 39.6,56.24
  Bottom Layer w0.127: 39.6,56.24 40.84,55 45.426,55 46,54.426 46,50.05 46.264,49.787 46.264,49.737 46.65,49.35 R21.2@46.7,49.35
  Bottom Layer w0.203: v1(2.563,51.1) 1.9,51.1 1.328,50.528 1.328,29.472 2.603,28.197 9.469,28.197 9.931,27.735 9.931,27.37 11.096,26.204 14.74,26.204 15.029,25.915 15.029,25.03 U4.46@15.05,25.009
SWO: "ST LINK DEBUG.9" R22.2 U4.55 | length 94.6
  Top Layer w0.203: v1@2.773,52.075 2.704,52.124 v1(2.6,52.2) 5.5,52.2 9,55.7 22.628,55.7 ccw(c22.623,57.956) 24.579,59.079 25.3,59.8 41.12,59.8 44.6,56.32 44.6,56.2
  Bottom Layer w0.127: 44.7,56.2 44.7,56.26 45.918,57.478 47.7,57.478 49,56.178 R22.2@49,49.35
  Bottom Layer w0.203: v1(2.6,52.2) 3.3,51.5 3.3,49.6 2.03,48.33 2.03,29.959 3.132,28.857 9.727,28.857 10.82,29.95 U4.55@12.109,29.95
UART_RX: "ST LINK DEBUG.4" U4.15 | length 35.6
  Top Layer w0.203: v1(38.3,49.1) 38.9,49.1 41.153,51.353 42.333,51.353 44.58,53.6 44.7,53.6
  Bottom Layer w0.203: U4.15@21.05,36.391 21.071,36.412 21.071,41.871 21.394,42.194 21.508,42.194 21.77,42.115 ccw(c22.7,45.2) 25.699,46.377 25.699,46.415 25.699,46.499 28.3,49.1 v1(38.3,49.1)
UART_TX: "ST LINK DEBUG.3" U4.14 | length 33.6
  Top Layer w0.203: v1(38.3,50.2) 39,50.2 42.14,53.34 42.14,53.7
  Bottom Layer w0.203: U4.14@20.55,36.391 20.55,41.95 21.224,42.624 21.303,42.624 21.385,42.616 21.577,42.535 22.831,42.598 ccw(c22.7,45.2) 25.303,45.074 25.364,46.326 25.284,46.515 25.284,46.684 25.325,46.725 27.823,49.223 27.825,49.223 28.801,50.2 v1(38.3,50.2)
VBATT: C5.1 C6.1 CN6.5 CN6.6 Q1.5 R15.1 R26.1 U3.1 | length 41.2
  Top Layer w1: C6.1@27.8,18.6 28.05,18.6 29.45,17.2 C5.1@30,17.2 Q1.5@33.925,17.2 ; C6.1@27.8,32.75 28.05,32.75 29.5,31.3 C5.1@29.9,31.3 Q1.5@34,31.3 ; C6.1@27.8,46.6 28.05,46.6 29.45,45.2 C5.1@29.9,45.2 Q1.5@34,45.2 ; 35.1,16.6 35.37,16.33 U3.1@35.37,13.86 ; 35.2,31 35.37,30.83 U3.1@35.37,27.96 ; 35.3,44.7 35.37,44.63 U3.1@35.37,42.06
  Bottom Layer w0.305: CN6.5@17,45.1 17.1,45.1 19.4,42.8 R15.1@19.4,40.125
  Bottom Layer w1: CN6.6@22.7,45.2 26.1,48.6 R26.1@26.1,50
VBATT_ADC: R15.2 R18.1 U4.16 | length 11.1
  Top Layer w0.203: v1(18.2,38.937) 18.237,38.9 22.7,38.9 v1(23.5,39.7)
  Bottom Layer w0.203: v1(18.2,38.937) 19.363,38.937 R15.2@19.4,38.9 ; U4.16@21.55,36.391 21.55,37.129 22.3,37.879 R18.1@22.3,38.8 ; R18.1@22.3,38.9 22.549,39.148 22.949,39.148 v1(23.5,39.7)
VCAP1: C12.1 U4.30 | length 4.7
  Bottom Layer w0.203: U4.30@23.491,27.95 25.25,27.95 C12.1@27.3,25.9
VREF+: C10.1 C11.1 FB1.2 U4.13 | length 8.6
  Bottom Layer w0.203: C10.1@15.175,40.5 15.2,40.475 15.2,38.8 C11.1@15.3,38.7 ; C11.1@15.45,38.8 FB1.2@17.2,38.8 ; FB1.2@17.2,38.775 17.448,38.527 17.448,38.319 17.567,38.2 19.981,38.2 20.1,38.081 20.1,37.327 20.092,37.319 20.092,37.249 20.071,37.227 20.071,36.412 U4.13@20.05,36.391
pads on no net: CN2.None CN6.None1 CN6.None2 MH1.1 MH2.1 MH3.1 MH4.1 TVS1.3 TVS2.3 U3.6 U3.7 U3.8 U4.1 U4.2 U4.3 U4.4 U4.11 U4.20 U4.22 U4.23 U4.24 U4.25 U4.27 U4.28 U4.36 U4.40 U4.41 U4.42 U4.43 U4.44 U4.45 U4.50 U4.54 U4.56 U4.57 U4.58 U4.61 U4.62

## Polygon pours and split planes (outlines as drawn)
GND on Bottom Layer "GND_L02_P026" (solid, pour order 26): 0,60 60,60 60,0 0,0
VBATT on Top Layer "VBATT_L01_P027" (solid, pour order 27): 36.5,48 36.5,6.3 25.1,6.3 25.4,41.3 13.8,41.3 13.8,48
PGND on Top Layer "PGND_L01_P025" (solid, pour order 25): 0,47.9 0,60 60,60 60,0 51,0 51,47.9

## Silkscreen, mask and mechanical layers (free items; w line width, h text height)
Top Overlay:
  text "Torpedo Board / Mk 1.0 / Miguel Manguerra / AUVIC Fall 2020" at 12.1,27.9 h0.8